# KiCad board DoubleWig.kicad_pcb (continued)
## Footprints (pads in the part's own frame, mm; a bottom-side part is the same pattern mirrored in y, then rotated) (continued)
PinHeader_1x1_Smallest
  custom 1.07x1.07 hole 0.8: 1(0,0)
unnamed
  round 1.75 hole 1.75 unplated: (0,0)

## Nets
1|3: J18.1 J18#2.1
31: J11.1 J11#2.1
BOT_RAIL_NEG: J4.1 J4#2.1
BOT_RAIL_POS: J3.1 J3#2.1
PASS: J5.1 J5#2.1
TOP_RAIL_NEG: J2.1 J2#2.1
TOP_RAIL_POS: J1.1 J1#2.1

Pads without a net: J11 2 3 4 5 6 7 8 9 10 11 12 13 14 15 16 17 18 19 20 21 22 23 24 25 26 27 28 29 30; J11#2 2 3 4 5 6 7 8 9 10 11 12 13 14 15 16 17 18 19 20 21 22 23 24 25 26 27 28 29 30; J18 2 3 4 5 6 7 8 9 10 11 12 13 14 15 16 17 18 19 20 21 22 23 24 25 26 27 28 29 30; J18#2 2 3 4 5 6 7 8 9 10 11 12 13 14 15 16 17 18 19 20 21 22 23 24 25 26 27 28 29 30; REF** 1 2; REF**#2 1 2; REF**#3 1 2; REF**#4 1 2

## Copper pours and planes (outline as drawn; the poured copper is in the pictures)
(no net) on Bottom: -113.42,-22.18 -113.36,-22.26 -112.95,-23.14 -112.9,-23.31 -112.88,-23.44 -112.88,-26.89 -112.9,-27.08 -112.94,-27.21 -113.36,-28.02 -113.43,-28.1 -113.51,-28.13 -114.8,-28.13 -114.87,-28.1 -114.92,-28.02 -115.32,-27.2 -115.37,-27.03 -115.38,-26.89 -115.38,-23.46 -115.37,-23.32 -115.32,-23.19 -114.95,-22.3 -114.87,-22.19 -114.79,-22.16 -113.51,-22.16 ; 1 cut-out
(no net) on Bottom: -87.78,-20.51 -87.71,-20.6 -87.3,-21.45 -87.25,-21.59 -87.23,-21.76 -87.23,-22.6 -87.26,-22.81 -87.32,-22.96 -89.62,-26.28 -89.62,-26.7 -89.35,-27.31 -87.93,-27.31 -87.64,-26.73 -87.64,-26.45 -87.21,-26.45 -87.21,-26.9 -87.23,-27.07 -87.28,-27.21 -87.69,-28.06 -87.77,-28.17 -87.84,-28.2 -89.45,-28.2 -89.52,-28.16 -89.6,-28.04 -89.99,-27.17 -90.04,-27.02 -90.05,-26.88 -90.05,-26.05 -90.03,-25.84 -89.96,-25.69 -87.66,-22.36 -87.66,-21.93 -87.95,-21.34 -89.37,-21.34 -89.62,-21.89 -89.62,-22.18 -90.06,-22.18 -90.06,-21.71 -90.05,-21.54 -90,-21.41 -89.6,-20.6 -89.54,-20.51 -89.45,-20.48 -87.86,-20.48
(no net) on Bottom: -75.78,-27.89 -75.55,-27.98 -72.76,-28.78 -72.83,-28.87 -72.91,-28.96 -72.98,-29.04 -73.14,-29.21 -73.3,-29.37 -73.46,-29.53 -73.54,-29.6 -73.63,-29.67 -73.71,-29.75 -73.8,-29.82 -73.88,-29.89 -74.1,-30.05 -74.25,-30.15 -74.39,-30.25 -74.54,-30.34 -74.69,-30.43 -74.85,-30.52 -75,-30.6 -75.16,-30.68 -75.32,-30.75 -75.48,-30.82 -75.64,-30.89 -75.81,-30.95 -75.98,-31.01 -76.14,-31.06 -76.31,-31.11 -76.48,-31.16 -76.65,-31.2 -76.79,-31.23 -76.92,-31.25 -77.06,-31.28 -77.2,-31.3 -77.33,-31.31 -77.47,-31.33 -77.61,-31.34 -77.75,-31.35 -77.95,-31.36 -78.18,-31.36 -78.38,-31.36 -78.62,-31.35 -78.81,-31.34 -79,-31.32 -79.18,-31.29 -79.37,-31.26 -79.56,-31.23 -79.74,-31.19 -79.92,-31.15 -80.08,-31.1 -80.24,-31.06 -80.4,-31.01 -80.55,-30.95 -80.71,-30.89 -80.86,-30.83 -81.01,-30.77 -81.16,-30.7 -81.4,-30.58 -81.51,-30.52 -81.62,-30.46 -81.72,-30.4 -81.82,-30.34 -81.93,-30.28 -82.03,-30.21 -82.13,-30.14 -82.64,-29.75 -82.55,-29.66 -81.96,-29.07 -81.46,-28.57 -80.77,-27.88 -79.57,-26.68 -78.95,-26.06 -78.82,-25.93
(no net) on Bottom: -98.2,-22.14 -98.2,-30.74 -98.63,-30.74 -98.63,-28.17 -99.68,-28.17 -99.76,-28.14 -99.82,-28.04 -100.64,-26.34 -100.69,-26.2 -100.71,-26.04 -100.71,-24.16 -100.69,-24.02 -100.64,-23.86 -99.81,-22.21 -99.77,-22.16 -99.71,-22.14 ; 1 cut-out
(no net) on Bottom: -106.08,-22.18 -106.02,-22.26 -105.61,-23.14 -105.56,-23.31 -105.54,-23.44 -105.54,-26.89 -105.56,-27.08 -105.6,-27.21 -106.02,-28.02 -106.09,-28.1 -106.17,-28.13 -107.46,-28.13 -107.53,-28.1 -107.59,-28.02 -107.98,-27.2 -108.03,-27.03 -108.05,-26.89 -108.05,-23.46 -108.03,-23.32 -107.98,-23.19 -107.61,-22.3 -107.53,-22.19 -107.45,-22.16 -106.17,-22.16 ; 1 cut-out
(no net) on Bottom: -83.03,-20.2 -83.21,-22.99 -82.57,-22.99 -83.65,-23.48 -83.73,-23.48 -84.47,-23.57 -85.02,-22.99 -84.96,-22.74 -84.93,-22.61 -84.89,-22.49 -84.86,-22.36 -84.83,-22.27 -84.8,-22.18 -84.77,-22.09 -84.74,-22 -84.7,-21.9 -84.67,-21.81 -84.63,-21.72 -84.52,-21.47 -84.44,-21.31 -84.36,-21.15 -84.27,-20.99 -84.18,-20.83 -84.09,-20.68 -83.99,-20.53 -83.89,-20.38
(no net) on Bottom: -94.95,-27.31 -94.55,-27.31 -94.55,-28.18 -96.36,-28.18 -96.44,-28.15 -96.52,-28.04 -97.34,-26.36 -97.39,-26.2 -97.4,-26.04 -97.4,-22.62 -97.39,-22.45 -97.34,-22.32 -96.52,-20.61 -96.46,-20.51 -96.37,-20.48 -94.55,-20.48 -94.55,-21.34 -94.95,-21.34 ; 1 cut-out
(no net) on Bottom: -80.42,-20.04 -81.13,-20.2 -81.31,-20.2 -81.82,-20.2 -82.2,-18.68 -82.07,-18.6 -81.94,-18.51 -81.81,-18.43 -81.68,-18.35 -81.55,-18.28 -81.42,-18.21 -81.29,-18.14 -81.15,-18.07
(no net) on Bottom: -77.99,-17.41 -77.87,-17.42 -77.77,-17.42 -77.67,-17.43 -77.57,-17.44 -77.48,-17.45 -77.39,-17.46 -77.29,-17.47 -76.59,-17.59 -76.44,-17.63 -76.29,-17.67 -76.14,-17.72 -75.98,-17.76 -75.83,-17.82 -75.68,-17.87 -75.54,-17.93 -75.39,-17.99 -75.27,-18.05 -75.16,-18.1 -75.04,-18.16 -74.93,-18.22 -74.81,-18.28 -74.7,-18.34 -74.59,-18.41 -74.48,-18.47 -73.65,-19.09 -73.49,-19.22 -74.47,-20.2 -74.47,-20.2 -75.87,-21.6 -76.17,-21.9 -77.26,-22.99 -77.72,-23.46 -78.2,-23.93 -78.2,-23.93 -80.62,-17.85 -80.5,-17.81 -80.38,-17.77 -80.26,-17.73 -80.14,-17.69 -80.01,-17.66 -79.89,-17.62 -79.78,-17.6 -79.68,-17.57 -79.59,-17.55 -79.5,-17.54 -79.41,-17.52 -79.32,-17.5 -79.22,-17.49 -79.13,-17.48 -79.03,-17.46 -78.78,-17.44 -78.69,-17.43 -78.6,-17.42 -78.32,-17.41
(no net) on Bottom: -103.16,-22.2 -103.08,-22.32 -102.63,-23.25 -102.63,-23.04 -102.6,-22.74 -102.48,-22.45 -102.32,-22.23 -102.22,-22.17 -101.87,-22.17 -101.87,-23.06 -102.01,-23.06 -102.07,-23.09 -102.15,-23.18 -102.2,-23.33 -102.21,-23.48 -102.21,-28.17 -102.63,-28.17 -102.63,-24.48 -103.33,-23.06 -103.65,-23.06 -103.95,-23.65 -103.95,-23.92 -104.38,-23.92 -104.38,-23.48 -104.36,-23.3 -104.31,-23.16 -103.88,-22.3 -103.82,-22.2 -103.73,-22.17 -103.24,-22.17
(no net) on Bottom: -81.08,-24.39 -81.08,-24.39 -80.05,-25.78 -80.75,-26.48 -81.44,-27.18 -82.14,-27.88 -82.84,-28.57 -83.02,-28.76 -83.17,-28.91 -83.86,-28.44 -83.93,-28.34 -84,-28.24 -84.07,-28.13 -84.13,-28.03 -84.19,-27.93 -84.25,-27.82 -84.31,-27.72 -84.36,-27.62 -84.42,-27.52 -84.47,-27.41 -84.52,-27.31 -84.58,-27.18 -84.51,-27.18 -84.58,-27.18 -84.66,-26.97 -84.72,-26.83 -84.77,-26.68 -84.82,-26.54 -84.86,-26.39 -84.91,-26.24 -84.95,-26.1 -84.98,-25.95 -85.05,-25.61 -85.07,-25.48 -85.09,-25.35 -85.11,-25.23 -85.12,-25.1 -85.13,-24.97 -85.14,-24.84 -85.16,-24.39 -81.61,-23.94
(no net) on Bottom: -110.43,-27.31 -110.45,-27.48 -110.5,-27.62 -110.71,-28.05 -110.78,-28.15 -110.86,-28.18 -111.28,-28.18 -111.28,-27.31 -110.95,-27.31 -110.86,-27.12 -110.86,-23.06 -111.7,-23.06 -111.7,-22.17 -110.86,-22.17 -110.86,-19.61 -110.43,-19.61 -110.43,-22.17 -109.59,-22.17 -109.59,-23.06 -110.43,-23.06
(no net) on Bottom: -87.14,-23.61 -87.14,-23.61 -87.13,-23.61 -87.13,-23.61 -87.12,-23.61 -87.12,-23.61 -87.11,-23.62 -87.11,-23.62 -87.1,-23.62 -87.09,-23.62 -87.09,-23.62 -87.09,-23.63 -87.08,-23.63 -87.08,-23.63 -87.07,-23.63 -87.07,-23.63 -87.06,-23.63 -87.05,-23.63 -87.05,-23.63 -87.04,-23.63 -87.03,-23.63 -87.01,-23.64 -87,-23.64 -86.98,-23.64 -86.97,-23.64 -86.97,-23.64 -86.96,-23.64 -86.95,-23.64 -86.94,-23.64 -86.93,-23.64 -86.92,-23.65 -86.91,-23.65 -86.9,-23.65 -86.9,-23.65 -86.89,-23.65 -86.88,-23.66 -86.88,-23.66 -86.87,-23.66 -86.86,-23.66 -86.86,-23.66 -86.86,-23.66 -86.85,-23.66 -86.85,-23.66 -86.84,-23.66 -86.83,-23.66 -86.81,-23.67 -86.79,-23.67 -86.76,-23.68 -86.73,-23.69 -86.7,-23.7 -86.65,-23.71 -86.62,-23.72 -86.61,-23.73 -86.6,-23.73 -86.57,-23.73 -86.55,-23.74 -86.54,-23.74 -86.53,-23.74 -86.52,-23.75 -86.51,-23.75 -86.5,-23.75 -86.49,-23.75 -86.48,-23.75 -86.46,-23.75 -86.45,-23.75 -86.44,-23.75 -86.43,-23.76 -86.42,-23.76 -86.41,-23.76 -86.41,-23.76 -86.4,-23.76 -86.39,-23.77 -86.39,-23.77 -86.39,-23.77 -86.38,-23.77 -86.38,-23.77 -86.37,-23.77 -86.36,-23.77 -86.35,-23.78 -86.34,-23.78 -86.34,-23.78 -86.33,-23.78 -86.32,-23.78 -86.32,-23.79 -86.31,-23.79 -86.3,-23.79 -86.29,-23.8 -86.26,-23.81 -86.24,-23.82 -86.21,-23.83 -86.18,-23.84 -86.15,-23.84 -86.12,-23.85 -86.09,-23.86 -86.06,-23.87 -86.05,-23.87 -86.04,-23.87 -86.03,-23.87 -86.03,-23.87 -86.03,-23.87 -86.02,-23.87 -86.02,-23.87 -86.01,-23.87 -86,-23.87 -85.99,-23.87 -85.98,-23.87 -85.97,-23.87 -85.96,-23.87 -85.95,-23.87 -85.94,-23.87 -85.93,-23.87 -85.92,-23.87 -85.9,-23.87 -85.89,-23.86 -85.88,-23.86 -85.87,-23.86 -85.86,-23.86 -85.86,-23.85 -85.85,-23.85 -85.84,-23.85 -85.84,-23.85 -85.84,-23.85 -85.83,-23.85 -85.83,-23.85 -85.83,-23.84 -85.83,-23.84 -85.82,-23.84 -85.82,-23.84 -85.82,-23.84 -85.81,-23.84 -85.81,-23.84 -85.8,-23.84 -85.79,-23.84 -85.77,-23.83 -85.76,-23.83 -85.75,-23.83 -85.74,-23.83 -85.73,-23.83 -85.72,-23.83 -85.71,-23.82 -85.7,-23.82 -85.69,-23.82 -85.68,-23.82 -85.68,-23.81 -85.66,-23.81 -85.64,-23.81 -85.63,-23.8 -85.62,-23.8 -85.62,-23.8 -85.61,-23.8 -85.6,-23.8 -85.59,-23.8 -85.57,-23.8 -85.55,-23.79 -85.52,-23.79 -85.49,-23.78 -85.45,-23.78 -85.42,-23.77 -85.39,-23.76 -85.36,-23.75 -85.27,-23.73 -85.23,-23.72 -85.2,-23.72 -85.18,-23.71 -85.18,-23.71 -85.18,-23.71 -85.18,-23.71 -85.18,-23.72 -85.18,-23.73 -85.18,-23.75 -85.18,-23.78 -85.19,-23.86 -85.19,-23.93 -85.2,-24 -85.2,-24.06 -85.2,-24.1 -85.2,-24.12 -85.2,-24.13 -85.21,-24.14 -85.21,-24.14 -85.21,-24.15 -85.21,-24.15 -85.21,-24.15 -85.21,-24.15 -85.21,-24.16 -85.21,-24.16 -85.22,-24.16 -85.22,-24.16 -85.22,-24.16 -85.22,-24.16 -85.22,-24.16 -85.22,-24.16 -85.22,-24.17 -85.22,-24.17 -85.23,-24.17 -85.23,-24.17 -85.23,-24.17 -85.23,-24.17 -85.23,-24.17 -85.23,-24.17 -85.24,-24.17 -85.24,-24.17 -85.24,-24.17 -85.24,-24.17 -85.25,-24.17 -85.25,-24.17 -85.25,-24.17 -85.25,-24.17 -85.26,-24.17 -85.31,-24.17 -85.39,-24.17 -85.44,-24.17 -85.49,-24.17 -85.54,-24.17 -85.6,-24.17 -85.68,-24.17 -85.73,-24.17 -85.78,-24.17 -85.85,-24.18 -85.94,-24.18 -85.96,-24.19 -85.98,-24.19 -85.99,-24.19 -86,-24.19 -86.01,-24.19 -86.02,-24.19 -86.03,-24.2 -86.04,-24.2 -86.05,-24.2 -86.06,-24.2 -86.07,-24.2 -86.08,-24.21 -86.09,-24.21 -86.11,-24.22 -86.12,-24.22 -86.13,-24.23 -86.14,-24.23 -86.15,-24.23 -86.18,-24.24 -86.19,-24.25 -86.2,-24.25 -86.21,-24.25 -86.22,-24.26 -86.24,-24.27 -86.26,-24.27 -86.27,-24.28 -86.28,-24.28 -86.3,-24.28 -86.31,-24.29 -86.32,-24.29 -86.34,-24.29 -86.36,-24.29 -86.37,-24.29 -86.38,-24.29 -86.39,-24.29 -86.41,-24.3 -86.43,-24.3 -86.44,-24.3 -86.45,-24.3 -86.46,-24.3 -86.46,-24.29 -86.47,-24.29 -86.47,-24.29 -86.48,-24.29 -86.48,-24.29 -86.49,-24.29 -86.5,-24.29 -86.5,-24.28 -86.51,-24.28 -86.52,-24.28 -86.53,-24.28 -86.54,-24.27 -86.55,-24.27 -86.57,-24.26 -86.59,-24.26 -86.61,-24.25 -86.63,-24.25 -86.65,-24.25 -86.67,-24.24 -86.68,-24.24 -86.7,-24.23 -86.71,-24.23 -86.72,-24.23 -86.73,-24.23 -86.73,-24.22 -86.75,-24.22 -86.76,-24.22 -86.78,-24.22 -86.79,-24.22 -86.81,-24.21 -86.82,-24.21 -86.83,-24.21 -86.83,-24.21 -86.83,-24.21 -86.84,-24.21 -86.84,-24.2 -86.84,-24.2 -86.85,-24.2 -86.85,-24.2 -86.85,-24.2 -86.85,-24.2 -86.85,-24.19 -86.86,-24.19 -86.86,-24.19 -86.86,-24.19 -86.86,-24.19 -86.86,-24.18 -86.86,-24.18 -86.86,-24.18 -86.86,-24.18 -86.86,-24.17 -86.86,-24.17 -86.86,-24.17 -86.86,-24.17 -86.86,-24.16 -86.86,-24.16 -86.86,-24.16 -86.86,-24.16 -86.86,-24.15 -86.86,-24.15 -86.86,-24.15 -86.86,-24.15 -86.86,-24.15 -86.86,-24.14 -86.86,-24.14 -86.86,-24.14 -86.86,-24.13 -86.85,-24.13 -86.85,-24.13 -86.85,-24.13 -86.85,-24.12 -86.85,-24.12 -86.85,-24.12 -86.84,-24.12 -86.84,-24.12 -86.84,-24.11 -86.84,-24.11 -86.84,-24.11 -86.83,-24.11 -86.83,-24.11 -86.83,-24.11 -86.83,-24.11 -86.83,-24.11 -86.82,-24.11 -86.82,-24.11 -86.82,-24.11 -86.82,-24.11 -86.82,-24.11 -86.82,-24.1 -86.82,-24.1 -86.82,-24.1 -86.83,-24.1 -86.83,-24.1 -86.83,-24.09 -86.83,-24.09 -86.84,-24.08 -86.84,-24.07 -86.85,-24.06 -86.86,-24.05 -86.86,-24.04 -86.86,-24.03 -86.87,-24.03 -86.87,-24.02 -86.87,-24.02 -86.87,-24.02 -86.87,-24.01 -86.87,-24.01 -86.87,-24.01 -86.87,-24 -86.87,-24 -86.87,-24 -86.87,-24 -86.87,-23.99 -86.87,-23.99 -86.87,-23.99 -86.87,-23.98 -86.87,-23.98 -86.87,-23.98 -86.87,-23.98 -86.87,-23.97 -86.87,-23.97 -86.87,-23.97 -86.87,-23.97 -86.87,-23.97 -86.88,-23.96 -86.88,-23.96 -86.88,-23.96 -86.89,-23.96 -86.89,-23.96 -86.9,-23.95 -86.91,-23.95 -86.92,-23.95 -86.93,-23.95 -86.94,-23.95 -86.95,-23.95 -86.96,-23.95 -86.98,-23.95 -87,-23.95 -87.01,-23.95 -87.05,-23.95 -87.1,-23.95 -87.16,-23.95 -87.19,-23.95 -87.21,-23.95 -87.24,-23.95 -87.25,-23.95 -87.25,-23.95 -87.26,-23.95 -87.26,-23.95 -87.26,-23.95 -87.26,-23.95 -87.27,-23.95 -87.27,-23.95 -87.27,-23.94 -87.27,-23.94 -87.28,-23.94 -87.28,-23.94 -87.28,-23.94 -87.28,-23.94 -87.29,-23.94 -87.29,-23.94 -87.29,-23.93 -87.29,-23.93 -87.3,-23.93 -87.3,-23.93 -87.3,-23.93 -87.3,-23.92 -87.3,-23.92 -87.31,-23.92 -87.31,-23.92 -87.31,-23.92 -87.31,-23.91 -87.31,-23.91 -87.32,-23.91 -87.32,-23.91 -87.32,-23.9 -87.32,-23.9 -87.32,-23.9 -87.32,-23.9 -87.32,-23.9 -87.32,-23.89 -87.32,-23.89 -87.32,-23.89 -87.32,-23.89 -87.32,-23.88 -87.32,-23.88 -87.32,-23.88 -87.32,-23.88 -87.32,-23.88 -87.32,-23.87 -87.32,-23.87 -87.32,-23.87 -87.32,-23.87 -87.32,-23.87 -87.32,-23.87 -87.32,-23.86 -87.31,-23.86 -87.31,-23.86 -87.31,-23.86 -87.31,-23.86 -87.31,-23.86 -87.3,-23.85 -87.3,-23.85 -87.3,-23.85 -87.3,-23.85 -87.3,-23.85 -87.3,-23.85 -87.29,-23.85 -87.29,-23.85 -87.29,-23.84 -87.29,-23.84 -87.29,-23.84 -87.28,-23.84 -87.28,-23.84 -87.28,-23.84 -87.28,-23.84 -87.27,-23.84 -87.27,-23.84 -87.27,-23.84 -87.26,-23.84 -87.25,-23.84 -87.24,-23.84 -87.23,-23.84 -87.22,-23.84 -87.2,-23.84 -87.18,-23.84 -87.17,-23.83 -87.16,-23.83 -87.15,-23.83 -87.14,-23.83 -87.13,-23.83 -87.12,-23.83 -87.11,-23.82 -87.1,-23.82 -87.1,-23.82 -87.09,-23.82 -87.09,-23.82 -87.09,-23.81 -87.08,-23.81 -87.08,-23.81 -87.08,-23.81 -87.07,-23.81 -87.07,-23.81 -87.06,-23.81 -87.05,-23.81 -87.04,-23.81 -87.03,-23.81 -87.02,-23.81 -87.02,-23.81 -87.01,-23.81 -87,-23.81 -87,-23.8 -86.99,-23.8 -86.99,-23.8 -86.98,-23.8 -86.98,-23.8 -86.98,-23.8 -86.98,-23.8 -86.97,-23.8 -86.97,-23.8 -86.97,-23.8 -86.96,-23.8 -86.96,-23.8 -86.95,-23.8 -86.93,-23.8 -86.91,-23.79 -86.9,-23.79 -86.9,-23.79 -86.9,-23.79 -86.9,-23.79 -86.9,-23.79 -86.9,-23.79 -86.9,-23.79 -86.91,-23.79 -86.99,-23.77 -87.03,-23.75 -87.06,-23.74 -87.07,-23.74 -87.08,-23.74 -87.09,-23.74 -87.1,-23.74 -87.11,-23.74 -87.11,-23.73 -87.12,-23.73 -87.13,-23.73 -87.13,-23.73 -87.14,-23.72 -87.15,-23.72 -87.15,-23.72 -87.16,-23.72 -87.16,-23.71 -87.17,-23.71 -87.17,-23.71 -87.18,-23.71 -87.18,-23.7 -87.18,-23.7 -87.18,-23.7 -87.19,-23.69 -87.19,-23.69 -87.19,-23.69 -87.19,-23.68 -87.19,-23.68 -87.2,-23.68 -87.2,-23.67 -87.2,-23.67 -87.2,-23.67 -87.2,-23.66 -87.2,-23.66 -87.2,-23.65 -87.2,-23.65 -87.2,-23.65 -87.2,-23.65 -87.2,-23.65 -87.2,-23.64 -87.2,-23.64 -87.2,-23.64 -87.2,-23.64 -87.2,-23.64 -87.2,-23.64 -87.2,-23.63 -87.2,-23.63 -87.19,-23.63 -87.19,-23.63 -87.19,-23.63 -87.19,-23.62 -87.19,-23.62 -87.18,-23.62 -87.18,-23.62 -87.18,-23.62 -87.18,-23.62 -87.17,-23.61 -87.17,-23.61 -87.17,-23.61 -87.16,-23.61 -87.16,-23.61 -87.15,-23.61 -87.15,-23.61 -87.15,-23.61
(no net) on Bottom: -71.56,-27.8 -69.84,-28.08 -69.77,-28.57 -72.38,-28.45 -72.32,-28.37 -72.27,-28.28 -72.21,-28.2 -72.16,-28.12 -72.11,-28.03 -72.05,-27.95 -72,-27.86
(no net) on Bottom: -72.62,-20.2 -73.1,-20.2 -72.6,-20.2 -72.56,-20.25 -72.46,-20.39 -72.36,-20.54 -72.26,-20.69 -72.17,-20.85 -72.08,-21 -72,-21.16 -71.91,-21.32 -71.84,-21.48 -71.79,-21.6 -72.16,-21.6 -71.78,-21.6 -71.73,-21.73 -71.69,-21.83 -71.65,-21.92 -71.62,-22.01 -71.59,-22.1 -71.56,-22.2 -71.53,-22.29 -71.24,-23.66 -71.23,-23.79 -71.22,-23.91 -71.21,-24.03 -71.21,-24.14 -71.2,-24.48 -71.21,-24.59 -71.21,-24.69 -71.21,-24.79 -71.22,-24.9 -71.23,-25.01 -71.24,-25.11 -71.25,-25.21 -71.26,-25.32 -71.28,-25.42 -71.3,-25.52 -71.31,-25.63 -71.39,-25.99 -71.43,-26.16 -71.48,-26.33 -71.53,-26.49 -71.58,-26.65 -71.64,-26.81 -71.7,-26.97 -71.76,-27.13 -73.77,-26.55 -73.69,-26.55 -73.61,-26.54 -73.08,-22.01 -73.15,-21.89 -74.62,-25.09 -77.25,-24.36 -76.56,-23.66 -75.89,-22.99 -75.89,-22.99 -74.49,-21.6 -73.1,-20.2 -73.1,-20.2 -72.82,-19.92
(no net) on Bottom: -92.08,-24.76 -92.52,-24.76 -92.52,-23.68 -93.3,-21.97 -93.3,-28.17 -93.73,-28.17 -93.73,-20.9 -93.7,-20.63 -93.6,-20.48 -93.57,-20.46 -93.43,-20.51 -93.36,-20.6 -92.29,-22.86 -91.25,-20.63 -91.17,-20.51 -91.1,-20.48 -91.02,-20.52 -90.92,-20.68 -90.88,-20.93 -90.88,-28.17 -91.31,-28.17 -91.31,-22 -92.08,-23.68

Small or netless copper shapes (teardrops, artwork), in the pictures only: 8 on Bottom

## Text on the board
Bottom: yes | Fuck
